# Altium PCB stencil V2.0.PcbDoc (part 4 of 4)
Units mm, origin at the board's own origin, x right, y up, seen from the top; angles counter-clockwise.
Board outline 50 x 79.06 mm, 2 copper layers (Top Layer, Bottom Layer); 235 components, 68 nets, 1097 pads, 384 vias.
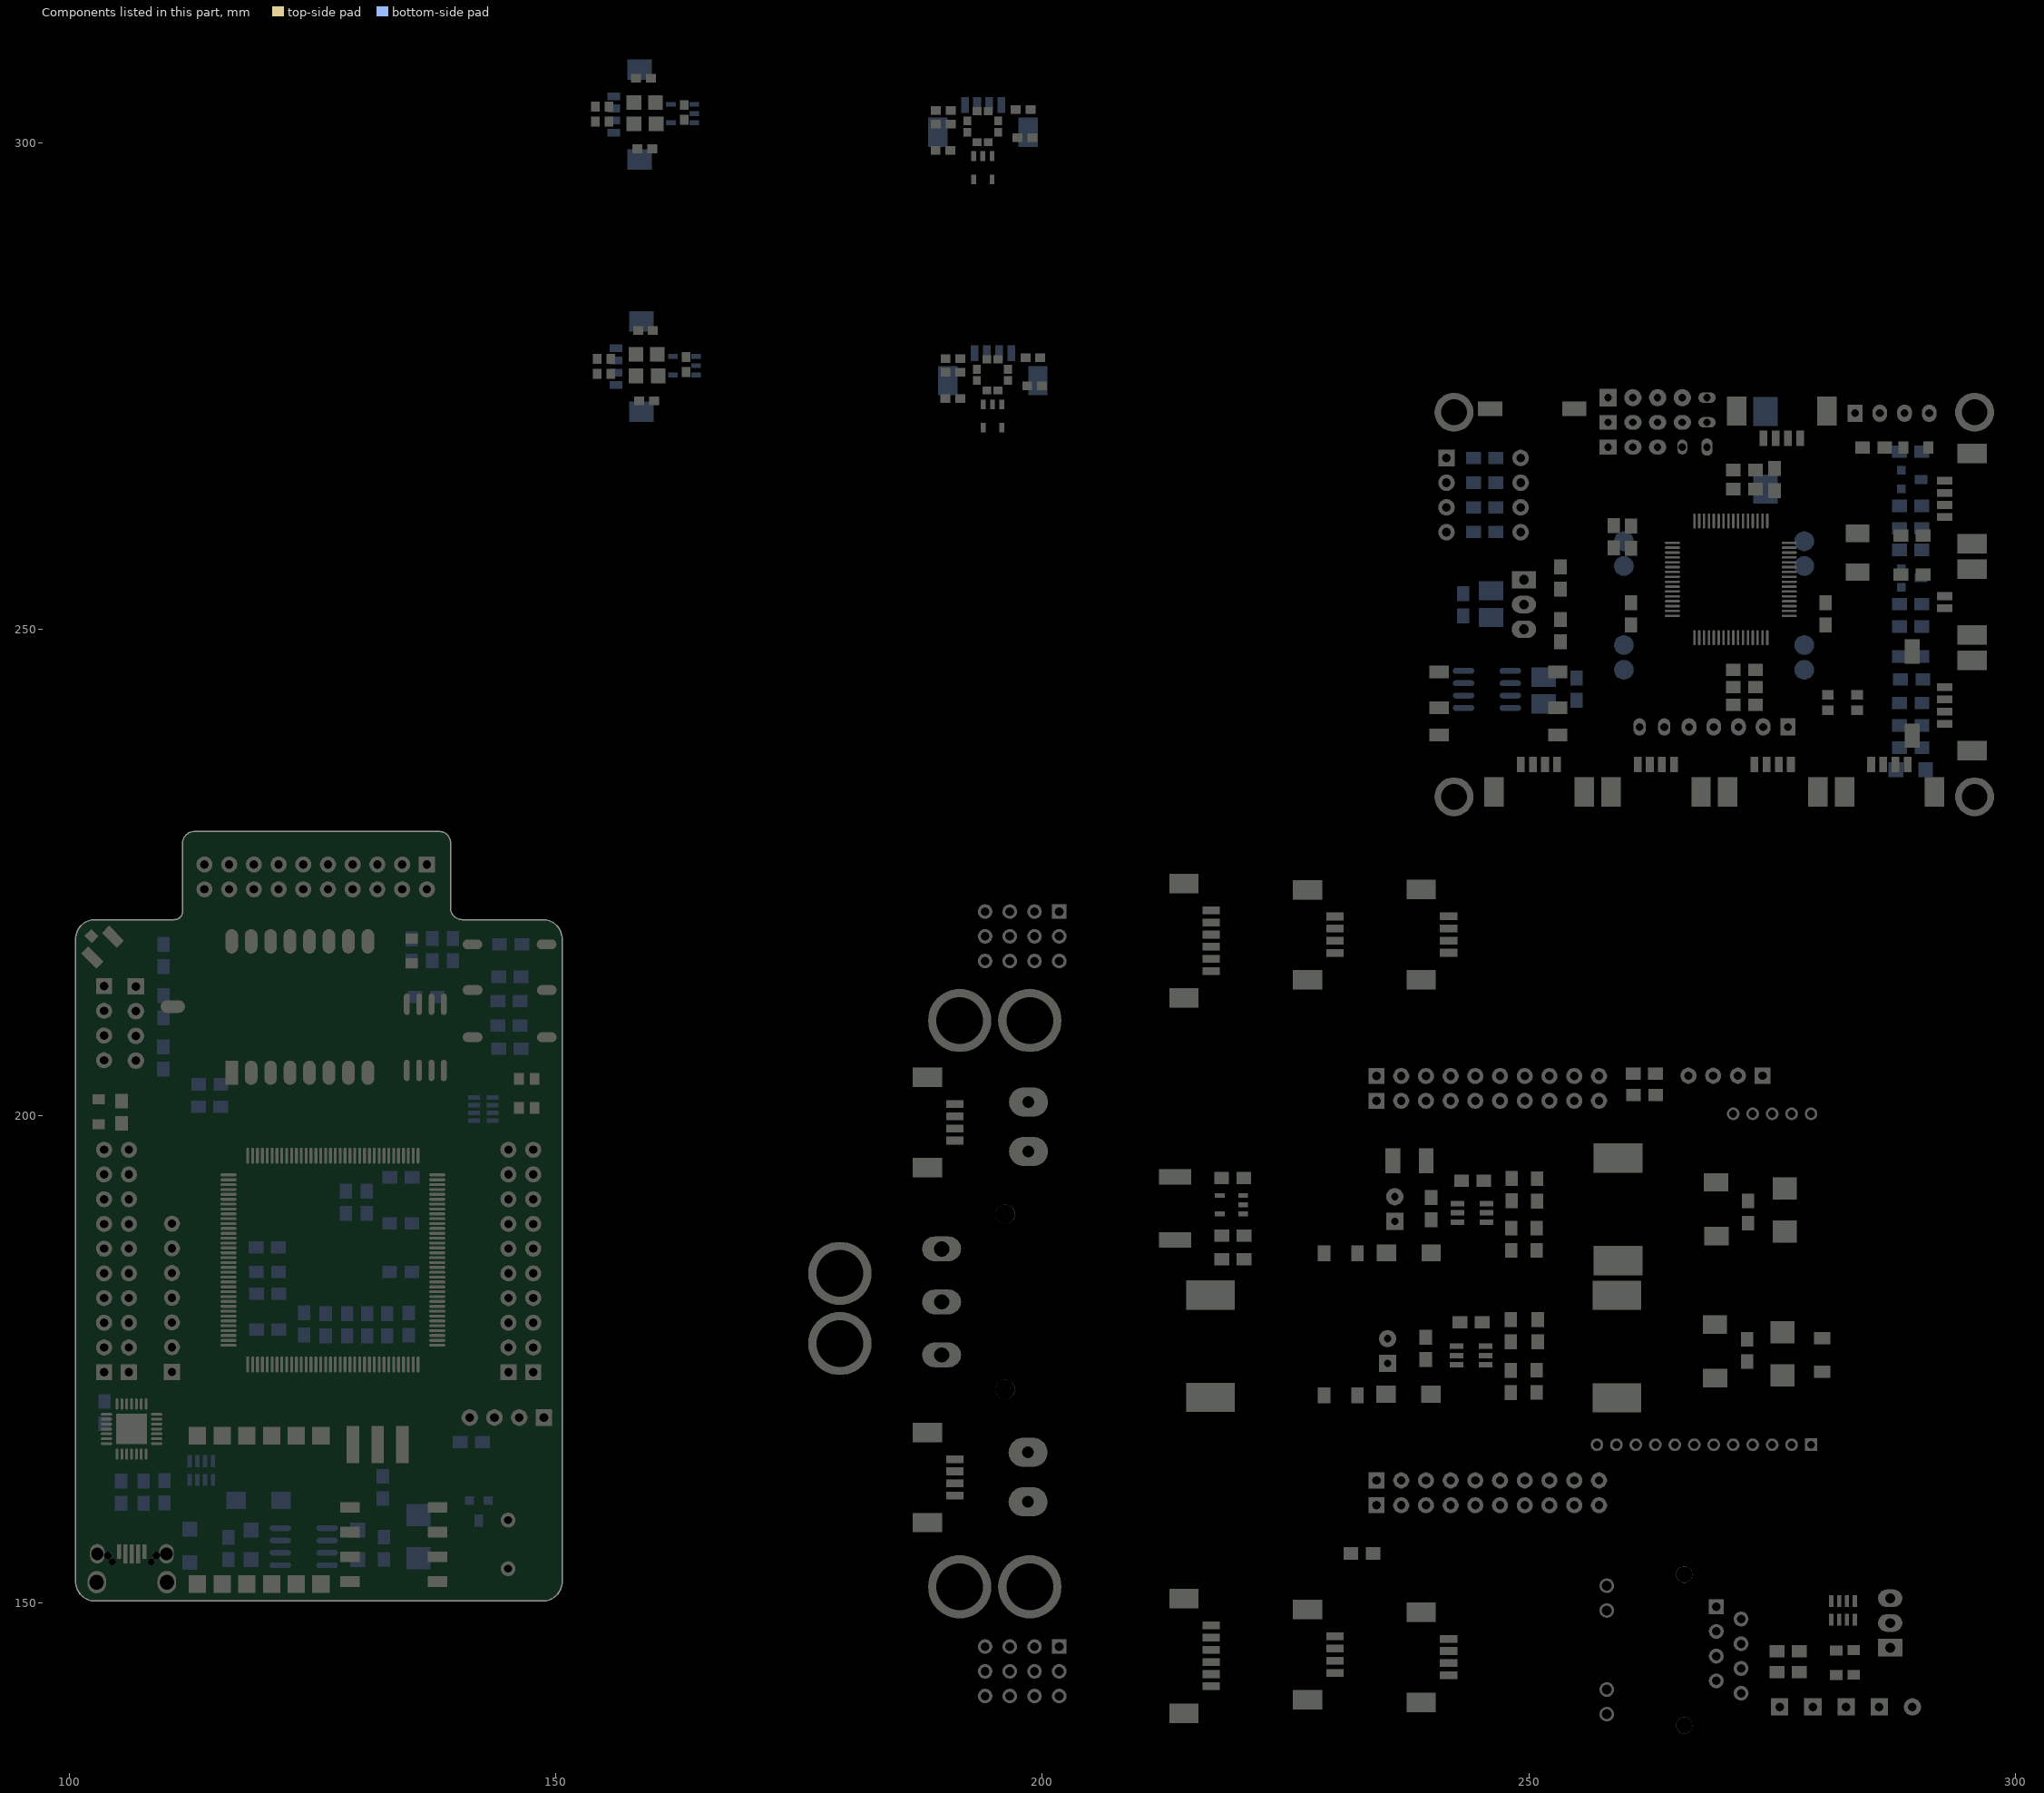
[diagram p4: the components of this part, seen from the top]

## Via types
v1: diameter 0.559, hole 0.305, Top Layer to Bottom Layer, 68 vias
v2: diameter 0.762, hole 0.406, Top Layer to Bottom Layer, 67 vias
v3: diameter 1.27, hole 0.711, Top Layer to Bottom Layer, 50 vias
v4: diameter 0.559, hole 0.356, Top Layer to Bottom Layer, 42 vias
v5: diameter 0.711, hole 0.406, Top Layer to Bottom Layer, 27 vias
v6: diameter 0.61, hole 0.305, Top Layer to Bottom Layer, tented both sides, 24 vias
v7: diameter 0.762, hole 0.381, Top Layer to Bottom Layer, tented both sides, 21 vias
v8: diameter 0.635, hole 0.406, Top Layer to Bottom Layer, 16 vias
v9: diameter 0.635, hole 0.381, Top Layer to Bottom Layer, 16 vias
v10: diameter 1.016, hole 0.559, Top Layer to Bottom Layer, 15 vias
v11: diameter 0.762, hole 0.381, Top Layer to Bottom Layer, 14 vias
v12: diameter 1.27, hole 0.711, Top Layer to Bottom Layer, tented both sides, 9 vias
v13: diameter 1.016, hole 0.635, Top Layer to Bottom Layer, 5 vias
v14: diameter 0.762, hole 0.457, Top Layer to Bottom Layer, 3 vias
v15: diameter 1.016, hole 0.457, Top Layer to Bottom Layer, 2 vias
v16: diameter 0.914, hole 0.559, Top Layer to Bottom Layer, 2 vias
v17: diameter 0.9, hole 0.9, Top Layer to Bottom Layer, 2 vias
v18: diameter 0.914, hole 0.457, Top Layer to Bottom Layer, tented both sides, 1 vias

## Nets (pads, with @x,y where several pads share a name; then routed paths per layer and width w, separated by ;. In a path a pad name is that pad's centre, name@x,y a point inside that pad or via, vN(x,y) a via of type N, cw(c..) or ccw(c..) an arc to the next point about the centre after c; other vN are vias at no path point) (continued)
copper on no net: (continued)
  Bottom Layer w0.508: 103.588,205.71 103.672,205.71 105.18,207.219 105.18,209.911 106.02,210.751 106.881,210.751 ; 103.59,173.659 103.59,170.716 103.651,170.656 ; 108.624,188.921 110.565,188.921 ; v2@109.676,204.806 ccw(c109.727,204.806) 109.727,204.755 111.225,204.755 ccw(c111.225,205.136) 111.606,205.136 111.606,217.048 ccw(c111.047,217.048) 111.047,217.607 109.701,217.607 ; 109.777,162.515 110.082,162.515 v10(113.105,159.492) ; 112.343,219.207 112.343,213.391 ccw(c113.232,213.391) 113.232,212.502 115.464,212.502 ; 115.569,200.919 115.569,212.397 115.464,212.502 ; 116.379,156.684 114.426,154.73 114.426,151.718 ccw(c114.959,151.718) 114.959,151.185 v16(147.225,151.186) ; v8@117.677,188.473 120.039,188.473 121.481,187.032 121.481,186.467 ; 118.448,157.454 118.448,157.892 ; v13(118.693,217.074) 118.693,215.73 115.464,212.502 ; 119.226,183.978 cw(c119.226,183.952) 119.252,183.952 119.252,183.622 ; 121.55,178.029 121.55,177.361 v4(122.477,176.434) ; 124.134,179.774 126.364,177.544 126.364,177.395 128.564,177.395 ; 128.446,192.334 130.224,192.334 ; v14(133.603,212.476) 135.286,212.476 135.545,212.217 ; 135.223,188.954 135.228,188.948 ; 139.445,218.217 cw(c139.47,218.217) 139.47,218.242 140.562,218.242 ccw(c140.562,218.598) 140.918,218.598 ; v8(140.69,210.521) ccw(c140.69,210.749) 140.918,210.749 140.918,216.007 ; v4(140.918,219.411) 140.918,218.598 ; 141.133,160.461 141.133,161.574 cw(c142.455,161.574) 142.455,162.896 148.792,162.896 ccw(c148.792,164.209) 150.105,164.209 150.105,198.481 ccw(c149.089,198.481) 149.089,199.497 143.534,199.497 ; 143.038,160.461 v13@145.109,160.461 ; 146.418,214.278 146.418,214.636 ; 146.467,214.229 ccw(c144.765,214.229) 146.418,214.636 ; v1(153.436,302.144) 153.436,303.541 154.033,304.138 154.033,304.222 154.562,304.751 155.976,304.751 157.179,305.954 163.342,305.954 164.231,305.065 164.231,303.917 ; v1(153.636,276.244) 153.636,277.641 154.233,278.238 154.233,278.322 154.762,278.851 156.176,278.851 157.379,280.054 163.542,280.054 164.431,279.165 164.431,278.017 ; v1(158.008,300.493) 158.407,300.493 161.831,303.917 ; v1(158.208,274.593) 158.607,274.593 162.031,278.017 ; v1(164.256,301.382) 164.256,302.017 ; v1(164.456,275.482) 164.456,276.117 ; v9@190.89,300.984 190.89,297.428 v9(192.11,296.209) ; v9@191.89,275.484 191.89,271.928 v9(193.11,270.709) ; 192.048,303.854 192.048,299.293 v9@192.11,299.231 ; v9(192.084,299.231) 192.084,298.088 192.821,297.352 v9@194.777,297.352 ; 193.048,278.354 193.048,273.793 v9@193.11,273.731 ; v9(193.084,273.731) 193.084,272.588 193.821,271.852 v9@195.777,271.852 ; 193.298,303.854 193.298,302.309 v9@194.42,301.187 ; v9(193.354,301.085) 193.354,298.571 193.608,298.317 v9(196.123,298.317) ; 194.298,278.354 194.298,276.809 v9@195.42,275.687 ; v9(194.354,275.585) 194.354,273.071 194.608,272.817 v9(197.123,272.817) ; 194.548,303.854 194.548,305.022 195.208,305.683 196.555,305.683 197.215,305.022 v9(197.215,304.438) v9@197.215,304.387 ; 195.548,278.354 195.548,279.522 196.208,280.183 197.555,280.183 198.215,279.522 v9(198.215,278.938) v9@198.215,278.887 ; 254.905,244.964 254.905,244.738 256.084,243.56 256.084,241.731 264.034,233.781 274.042,233.781 ; v7(254.966,256.209) 254.966,256.666 v7(254.966,260.73) ; v7(256.084,252.348) 258.802,252.348 v7(258.954,252.196) ; v12(271.632,236.093) 271.632,237.365 272.848,238.581 272.848,240.969 273.372,241.493 275.067,241.493 ; 274.067,239.953 274.067,233.806 274.042,233.781 ; 276.607,239.953 278.766,237.794 v12(278.766,236.093) v12@278.766,235.787 ; v7(277.445,265.607) 283.516,265.607 ; v12(278.614,272.084) 281.291,274.761 291.684,274.761 293.244,273.202 293.244,268.299 294.87,266.674 v7(294.87,262.762) 294.87,261.06 293.066,259.257 289.206,259.257 288.088,258.139 ; v18(280.718,240.39) 280.718,233.81 280.747,233.781 ; 283.516,272.186 283.516,268.68 283.516,265.607 ; 284.608,256.082 284.735,256.209 288.266,256.209 ; 287.707,235.559 287.707,233.806 287.682,233.781 ; 290.298,255.269 292.078,255.269 v7(292.403,254.944) ; 290.374,258.139 290.704,258.139 293.854,254.99 293.854,252.433 v7(292.403,250.982) ; 290.374,268.249 293.193,268.249 ; 290.755,235.559 292.734,237.538 v7(292.734,237.997) ; 140.918,216.007 cw(c140.969,216.007) 140.969,216.058 145.515,216.058 cw(c145.515,215.155) 146.418,215.155 146.418,214.636 ; 140.918,216.007 140.918,218.598 ; 274.042,233.781 280.747,233.781 ; 280.747,233.781 287.682,233.781 ; 283.516,265.607 283.516,252.297 287.275,248.538 288.088,248.538 293.512,248.538 296.37,245.68 296.37,236.996 293.155,233.781 287.682,233.781
  Bottom Layer w0.635: v10(107.466,198.456) 108.482,197.44 108.482,188.778 108.482,175.773
  Bottom Layer w0.762: v10(103.046,160.229) 109.777,160.229 ; 103.588,205.71 103.588,202.367 ccw(c104.655,202.367) 103.771,201.77 ccw(c104.655,202.367) 104.057,201.483 ccw(c104.655,202.367) 104.655,201.3 v10(107.466,201.3) ; 103.59,178.739 102.392,178.739 cw(c102.392,179.558) 101.573,179.558 101.573,200.056 ; 106.14,178.739 106.14,176.199 108.057,176.199 108.482,175.773 110.565,173.691 110.597,173.659 110.612,173.659 110.642,173.689 ; 106.881,213.291 106.841,213.33 103.588,213.33 102.034,213.33 101.882,213.177 ccw(c102.31,212.578) 101.573,212.578 ; 107.932,162.484 109.747,162.484 ccw(c109.747,162.515) 109.777,162.515 ; v13(108.126,217.506) 109.6,217.506 ccw(c109.6,217.607) 109.701,217.607 ; v2(108.406,215.372) 109.579,215.372 cw(c109.579,215.199) 109.701,215.321 109.701,212.361 ; 109.676,207.092 109.676,210.014 cw(c109.763,210.014) 109.701,210.075 ; 110.565,176.231 ccw(c110.616,176.231) 110.616,176.18 112.241,176.18 ; v5(115.67,166.401) 115.67,169.169 ; 119.252,183.622 119.252,181.717 ; 121.461,181.793 ccw(c121.538,181.793) 121.538,181.717 121.538,183.978 ; 121.512,183.978 121.538,183.978 ; 121.538,186.06 121.538,185.197 121.538,183.978 ; 122.834,152.456 ccw(c122.834,154.106) 124.484,154.106 124.484,154.909 ; 124.673,155.098 ccw(c124.673,154.909) 124.484,154.909 ; 126.364,179.681 128.564,179.681 130.614,179.681 132.664,179.681 132.937,179.954 132.937,183.952 ; 126.503,157.638 ccw(c126.859,157.638) 126.859,157.282 129.818,157.282 ; v2(127.075,182.606) cw(c126.237,182.606) 126.237,181.768 124.916,181.768 ccw(c124.916,180.986) 124.134,180.986 124.134,179.774 119.976,179.774 cw(c119.976,180.498) 119.252,180.498 119.252,181.717 ; v2@127.1,185.222 cw(c127.1,185.248) v2(127.075,185.248) 127.075,191.391 cw(c127.942,191.391) 127.942,192.258 130.148,192.258 130.224,192.334 ; 128.446,189.972 130.58,189.972 131.918,189.972 132.937,188.954 132.937,183.952 ; 130.58,192.258 133.907,192.258 cw(c133.907,191.271) 134.894,191.271 134.894,179.749 ; 130.614,177.395 132.664,177.395 134.826,177.395 134.894,177.463 ; v2(131.545,193.68) 132.942,193.68 ; v5(133.984,209.749) 133.984,207.904 ccw(c134.771,207.904) 134.034,207.627 ccw(c134.771,207.904) 134.771,207.117 136.6,207.117 cw(c136.6,206.482) 137.235,206.482 v5@137.235,205.771 ; v14(134.746,219.817) 135.208,219.355 135.208,218.178 ; 134.903,216.07 135.33,215.644 135.279,215.593 v5(135.279,213.873) ; 135.208,215.892 139.406,215.892 ccw(c139.406,215.931) 139.445,215.931 ; v13(135.99,220.427) 137.362,220.427 137.438,220.503 ccw(c137.438,221.57) 138.505,221.57 138.505,225.761 ; 136.762,225.822 138.444,225.822 138.505,225.761 ; 137.311,218.217 139.445,218.217 ; 142.098,158.429 145.069,158.429 ccw(c145.069,158.469) 145.109,158.469 ; 144.063,209.259 144.132,209.191 144.132,206.902 ; 144.063,211.794 144.063,214.21 144.132,214.278 ; 146.349,209.259 146.349,211.794 ; 146.418,206.902 147.572,208.057 v5(148.436,208.057) ; 146.467,214.229 v5(147.471,214.229) ; 241.53,267.588 241.53,265.048 241.53,262.508 241.53,259.968 241.53,253.923 ; 243.232,244.677 243.232,249.935 ; 243.232,251.358 243.232,249.935 ; 243.283,243.179 243.283,242.035 ; 248.083,243.179 248.083,244.449 ; 248.083,245.719 248.083,244.449 ; v12(248.591,234.06) 247.829,234.822 247.829,237.565 ; 249.48,249.605 249.48,249.986 243.282,249.986 243.232,249.935 ; 249.48,252.526 248.413,252.526 246.991,253.948 246.102,253.948 241.555,253.948 241.53,253.923 ; 250.529,244.964 254.905,244.964 ; 251.512,242.341 251.512,240.41 251.512,237.565 ; 251.512,245.088 249.966,245.088 249.328,244.449 248.083,244.449 ; 254.905,242.678 254.905,237.576 254.916,237.565 ; v12@257.036,237.502 257.227,237.311 v12@257.227,236.422 ; v12(257.1,237.565) 254.916,237.565 ; 261.367,239.953 261.367,240.74 264.034,243.407 275.032,243.407 ; 276.607,239.953 275.067,241.493 275.067,243.407 283.084,243.407 284.608,244.931 v12(284.608,248.818) ; v12(284.608,252.805) 284.608,256.082 284.608,260.4 v12(284.608,261.619) 284.608,266.267 284.608,268.198 288.596,272.186 ; 101.573,200.056 ccw(c101.751,200.056) 101.751,199.878 107.72,199.878 112.241,195.357 112.241,181.666 ; 101.573,200.056 101.573,212.578 ; 101.573,212.578 101.573,217.861 cw(c102.894,217.861) 102.894,219.182 112.317,219.182 112.343,219.207 112.343,227.539 cw(c113.079,227.539) 113.079,228.275 137.819,228.275 cw(c137.819,227.589) 138.505,227.589 138.505,225.761 ; 112.241,176.18 112.241,170.49 ccw(c113.562,170.49) 113.562,169.169 115.67,169.169 ; 112.241,176.18 112.241,181.666 ; 112.241,181.666 cw(c112.292,181.666) 112.292,181.717 v2(117.88,181.717) 119.252,181.717 ; 115.67,169.169 119.633,169.169 cw(c119.633,166.909) 121.893,166.909 121.893,164.267 ccw(c123.239,164.267) 123.239,162.921 cw(c123.239,161.676) 124.484,161.676 124.484,154.909 ; 121.538,183.978 132.911,183.978 132.937,183.952 ; 241.53,253.923 241.53,243.788 243.283,242.035 ; 243.283,242.035 243.283,241.909 243.283,239.952 245.67,237.565 247.829,237.565 ; 247.829,237.565 251.512,237.565 ; 251.512,237.565 254.916,237.565
  Bottom Layer w1.016: v5(103.072,157.028) v5(103.758,157.028) v5(104.469,157.028) 112.265,157.028 ; 112.414,154.105 114.07,155.761 114.07,158.769 114.299,158.998 114.299,159.008 115.774,160.483 117.169,160.483 ; v15(115.594,152.456) 122.604,152.456 ; 117.169,154.398 118.448,154.398 ; 118.448,154.406 122.331,154.406 ; 124.673,155.098 126.503,155.098 ; 125.703,155.555 126.503,155.555 ; 129.664,154.406 135.773,154.406 ccw(c135.773,154.539) 135.905,154.539 cw(c135.52,154.539) 135.52,154.153 ; 129.818,157.282 132.409,157.282 cw(c132.409,157.458) 132.233,157.458 132.233,160.682 ; 132.364,156.713 135.905,156.713 ; 135.905,158.984 135.905,156.713 ; 142.48,166.472 ccw(c143.49,166.472) 143.49,165.461 v11(143.686,165.461) 146.244,165.461 ccw(c146.244,168.001) 148.784,168.001 148.784,169.003 ; 145.109,153.469 145.109,154.173 ccw(c142.569,154.173) 142.569,156.713 135.905,156.713 ; 249.48,252.526 253.417,252.526 257.579,248.364 259.752,248.364 259.752,245.824 ; 249.48,255.066 249.531,255.015 258.276,255.015 259.752,256.492 259.752,259.032 ; 258.141,271.246 260.681,271.246 263.221,271.246 265.761,271.246 267.006,270.001 267.006,263.042 270.257,259.79 277.536,259.79 278.294,259.032 278.294,256.492 ; 258.141,273.786 260.681,273.786 263.221,273.786 265.761,273.786 267.006,272.541 269.749,272.541 270.486,271.805 270.486,263.346 271.668,262.164 281.65,262.164 282.551,261.264 282.551,252.62 278.294,248.364 278.294,245.824
  other v1: 130.859,200.462 129.843,200.665 119.175,214.508
  other v2: 134.136,177.196
  other v3: 243.867,249.961
  other v4: 131.012,152.431 133.018,152.431 135.025,152.431 135.838,167.899 109.981,201.326
  other v5: 131.723,166.147 123.341,166.401 137.235,205.568
  other v8: 117.855,188.473
  other v9: 195.421,275.636 194.421,301.136
  other v10: 130.936,154.361 110.438,160.432 131.012,182.276 129.285,182.327 131.113,184.765 129.285,184.79 131.088,187.102 129.361,187.178
  other v11: 105.891,167.823
  other v12: 257.1,236.092
  other v13: 109.701,210.648
  other v15: 136.905,154.717
  other v17: 244.661,240.161 249.061,240.161

## Polygon pours and split planes (outlines as drawn)
no net on Top Layer "Top Layer-GND" (hatched Horizontal grid 0.508 track 0.203, pour order 18): 161.945,306.843
no net on Top Layer "Top Layer-No Net" (solid, remove dead copper, pour order 16): 152.725,309.818 164.942,309.818 cw(c164.942,307.278) 167.482,307.278 167.482,303.29 167.482,297.6 cw(c164.942,297.6) 164.942,295.06 164.587,295.06 154.223,295.06 cw(c154.223,297.6) 151.683,297.6 151.683,298.413 151.683,308.751 cw(c152.725,308.751) 152.725,309.792
no net on Top Layer "Top Layer-No Net" (solid, remove dead copper, pour order 14): 116.94,144.938 ccw(c116.661,144.938) 116.661,145.217 99.363,145.217 98.982,145.217 cw(c98.982,147.757) 96.442,147.757 96.442,170.058 96.442,231.247 cw(c98.982,231.247) 98.982,233.787 127.049,233.787 153.008,233.787 cw(c153.008,231.247) 155.548,231.247 155.548,223.221 155.548,147.833 cw(c153.008,147.833) 153.008,145.293 138.251,145.293
GND on Top Layer "Top Layer-No Net" (hatched 90Degree grid 0.508 track 0.254, remove dead copper, pour order 8): 170.1,219.4 170.1,226.2 cw(c172.6,226.2) 172.6,228.7 299.26,228.7 cw(c299.26,226.16) 301.8,226.16 301.8,215.2 301.8,134.84 cw(c299.26,134.84) 299.26,132.3 288,132.3 172.54,132.3 cw(c172.54,134.84) 170,134.84 170,139.4
no net on Top Layer "Top Layer-No Net" (solid, remove dead copper, pour order 30): 152.925,283.918 165.142,283.918 cw(c165.142,281.378) 167.682,281.378 167.682,277.39 167.682,271.7 cw(c165.142,271.7) 165.142,269.16 164.787,269.16 154.423,269.16 cw(c154.423,271.7) 151.883,271.7 151.883,272.513 151.883,282.851 cw(c152.925,282.851) 152.925,283.892
no net on Top Layer "Top Layer-GND" (hatched Horizontal grid 0.508 track 0.203, pour order 32): 162.145,280.943
no net on Top Layer "Top Layer-No Net" (solid, remove dead copper, pour order 36): 184.998,302.838 184.998,307.258 cw(c187.538,307.258) 187.538,309.798 188.173,309.798 199.806,309.798 cw(c199.806,307.258) 202.346,307.258 202.346,303.549 202.346,296.615 cw(c199.806,296.615) 199.806,294.075 199.323,294.075 187.411,294.075 cw(c187.411,296.615) 184.871,296.615 184.871,297.352
no net on Top Layer "Top Layer-No Net" (solid, remove dead copper, pour order 40): 185.998,277.338 185.998,281.758 cw(c188.538,281.758) 188.538,284.298 189.173,284.298 200.806,284.298 cw(c200.806,281.758) 203.346,281.758 203.346,278.049 203.346,271.115 cw(c200.806,271.115) 200.806,268.575 200.323,268.575 188.411,268.575 cw(c188.411,271.115) 185.871,271.115 185.871,271.852
no net on Bottom Layer "Top Layer-No Net" (solid, remove dead copper, pour order 20): 151.76,303.95 151.76,307.684 cw(c153.893,307.684) 153.893,309.818 164.155,309.818 cw(c164.155,307.278) 166.695,307.278 166.695,304.56 166.695,297.829 cw(c164.155,297.829) 164.155,295.289 163.393,295.289 154.274,295.289 cw(c154.274,297.829) 151.734,297.829 151.734,299.683
no net on Bottom Layer "Top Layer-No Net" (solid, remove dead copper, pour order 12): 112.851,144.709 ccw(c112.8,144.709) 112.8,144.76 101.014,144.76 100.1,144.76 cw(c100.1,147.3) 97.56,147.3 97.56,154.641 97.56,228.961 cw(c100.1,228.961) 100.1,231.501 123.239,231.501 150.925,231.501 cw(c150.925,228.961) 153.465,228.961 153.465,222.535 153.465,147.173 cw(c150.925,147.173) 150.925,144.633 145.007,144.633
GND on Bottom Layer "Top Layer-No Net" (hatched 90Degree grid 0.508 track 0.254, remove dead copper, pour order 10): 170.1,218.4 170.1,226.5 cw(c171.8,226.5) 171.8,228.2 300.06,228.2 cw(c300.06,225.66) 302.6,225.66 302.6,209.4 302.6,133.24 cw(c300.06,133.24) 300.06,130.7 290.6,130.7 172.44,130.7 cw(c172.44,133.24) 169.9,133.24 169.9,142.8
no net on Bottom Layer "Top Layer-No Net" (solid, remove dead copper, pour order 34): 151.96,278.05 151.96,281.784 cw(c154.093,281.784) 154.093,283.918 164.355,283.918 cw(c164.355,281.378) 166.895,281.378 166.895,278.66 166.895,271.929 cw(c164.355,271.929) 164.355,269.389 163.593,269.389 154.474,269.389 cw(c154.474,271.929) 151.934,271.929 151.934,273.783
no net on Bottom Layer "Top Layer-No Net" (solid, remove dead copper, pour order 38): 185.353,303.219 185.353,307.054 cw(c187.893,307.054) 187.893,309.594 189.62,309.594 198.841,309.594 cw(c198.841,307.054) 201.381,307.054 201.381,300.247 201.381,295.701 cw(c198.841,295.701) 198.841,293.161 197.393,293.161 187.817,293.161 cw(c187.817,295.701) 185.277,295.701 185.277,297.682
no net on Bottom Layer "Top Layer-No Net" (solid, remove dead copper, pour order 42): 186.353,277.719 186.353,281.554 cw(c188.893,281.554) 188.893,284.094 190.62,284.094 199.841,284.094 cw(c199.841,281.554) 202.381,281.554 202.381,274.747 202.381,270.201 cw(c199.841,270.201) 199.841,267.661 198.393,267.661 188.817,267.661 cw(c188.817,270.201) 186.277,270.201 186.277,272.182
no net on Bottom Layer "NONET_L02_P044" (solid, remove dead copper, pour order 44): 239.294,275.282 298.794,275.282 298.794,229.782 239.306,229.782 239.295,229.793
no net on Bottom Layer "NONET_L02_P046" (solid, remove dead copper, pour order 46): 257.294,275.282 284.794,275.282 284.794,243.782 257.294,243.782
no net on Bottom Solder (solid): 117.364,189.545
no net on Mechanical 1 (solid): 154.96,306.843
no net on Mechanical 1 (solid): 155.16,280.943

## Keep-outs
Keep-Out Layer:
  circle w0.254: c159.278,302.754 r6.5
  circle w0.254: c295,158 r1.5
  circle w0.254: c295,204 r1.5
  circle w0.254: c207.275,207.55 r1.5
  circle w0.254: c207.375,156.125 r1.5
  circle w0.254: c159.478,276.854 r6.5
  circle w0.254: c193.888,301.644 r6.5
  circle w0.254: c194.888,276.144 r6.5
  lines w0.127: 239.294,229.782 240.794,229.782 298.794,229.782 298.794,275.282 239.294,275.282 239.295,229.793
  lines w0.254: 172.318,139.367 ccw(c173.192,139.367) 173.192,138.494 180.813,138.494 ccw(c180.813,139.434) 181.753,139.434 181.753,156.259 ; 172.49,206.326 172.49,223.151 cw(c173.43,223.151) 173.43,224.091 181.051,224.091 cw(c181.051,223.218) 181.925,223.218 181.925,206.326 ; 173.157,157.072 180.828,157.072 cw(c180.828,156.147) 181.753,156.147 ; 173.415,205.513 181.086,205.513 ccw(c181.086,206.351) 181.925,206.351 ; 100.664,152.154 ccw(c102.664,152.154) 102.664,150.154 148.664,150.154 ccw(c148.664,152.154) 150.664,152.154 150.664,218.154 ccw(c148.664,218.154) 148.664,220.154 140.378,220.154 cw(c140.378,221.341) 139.191,221.341 139.191,228.064 ccw(c138.04,228.064) 138.04,229.215 112.887,229.215 ccw(c112.887,227.985) 111.657,227.985 111.657,220.999 cw(c110.812,220.999) 110.812,220.154 102.664,220.154 ccw(c102.664,218.154) 100.664,218.154 100.664,152.154 ; 168.9,136.6 169.5,136 169.8,136 295.5,136 ccw(c295.5,138.5) 298,138.5 298,224 ccw(c296,224) 296,226 168.9,226 168.9,136.6

## Other copper
Top Layer:
  region: 136.32,210.419 136.32,214.178 134.288,214.178 134.288,210.419
  rectangle net 5.0V: 284.353,144.424 288.544,148.946
  rectangle net 5.0V: 263.119,190.729 268.148,194.031
  rectangle net NetC7_1: 238.911,170.536 243.153,174.371
  rectangle net NetR9_1: 244.855,173.203 251.332,174.676
  rectangle net GND: 235.279,176.073 243.077,177.165
  rectangle net 12.0V: 267.716,176.378 280.924,178.918
  rectangle net GND: 267.867,170.307 277.773,175.336
  rectangle net NetR13_1: 244.957,187.808 251.383,189.255
  rectangle net NetC12_1: 235.33,187.96 243.356,189.357
  rectangle net NetC12_1: 238.784,185.014 243.128,189.128
  rectangle net GND: 235.965,190.703 243.204,191.973
  rectangle net 5.0V: 268.021,190.729 278.129,193.548
  rectangle net GND: 267.842,184.912 277.8,189.611
  rectangle net NetR4_2: 220.198,187.02 221.544,190.144
  rectangle net NetC7_1: 234.746,173.05 243.179,174.727
  rectangle net 24.0V: 226.416,169.697 229.667,186.69
  rectangle net 24.0V: 214.935,169.697 228.244,172.517
  rectangle net T24.0V: 179.629,176.936 195.504,178.079
  rectangle net GND: 234.696,190.703 237.896,193.294
  rectangle net GND: 175.819,181.051 182.474,188.747
  rectangle net GND: 194.056,194.056 201.371,198.196
  rectangle net GND: 186.157,206.223 194.412,213.614
  rectangle net GND: 188.671,148.514 193.827,155.169
  region: 258.116,235.076 258.116,238.531 256.008,238.531 256.008,235.076
  pour cut-out: 132.777,218.074 132.777,204.272 110.603,204.272 110.603,218.008
  text "诚以待人" at 292.894,223.012 h3.81 r270
  text "集美大学" at 263,218 h7.62
  text "iRobot" at 270,212 h6.35
  text "毅以处事" at 292.97,153.365 h3.81 r270
Bottom Layer:
  region: 110.768,158.146 110.768,160.94 107.999,160.94 107.999,158.146
  region: 122.833,156.139 122.833,157.917 115.848,157.917 115.848,156.139
  region: 122.63,156.444 122.63,161.194 120.649,161.194 120.649,156.444
  region: 127.507,154.844 127.507,157.892 125.449,157.892 125.449,154.844
  rectangle net IN_24V: 215.113,189.179 223.749,194.767
  rectangle net 5.0V: 263.068,190.754 268.376,194.234
  rectangle net GND: 175.666,181.127 182.397,188.595
  rectangle net GND: 188.443,206.426 194.361,216.6
  rectangle net GND: 188.62,148.361 193.904,155.27
  rectangle: 277.322,253.745 281.822,260.274
  rectangle: 277.322,244.51 281.822,251.01
  rectangle: 256.224,244.51 260.724,251.01
  rectangle: 256.224,253.774 260.724,260.274
  region: 258.116,235.076 258.116,238.531 256.008,238.531 256.008,235.076
  pour cut-out: 115.365,218.047 115.365,211.918 110.768,211.918 110.768,218.034

## Silkscreen, mask and mechanical layers (free items; w line width, h text height)
Top Overlay:
  drawing of 111 lines, arcs and shapes, not listed
  text "3V" at 284.1,274.776 h1.52 r180
  text "CLK" at 287.326,274.776 h1.52 r180
  text "G" at 289.307,274.776 h1.52 r180
  text "DIO" at 292.33,274.776 h1.52 r180
  text "GND" at 253.794,273.914 h1.52
  text "GND" at 278.792,270.027 h1.52 r270
  text "5V0" at 280.138,269.874 h1.52 r270
  text "SCL" at 270.968,269.849 h1.52 r270
  text "SDA" at 272.264,269.849 h1.52 r270
  text "模式选择" at 252.528,268.452 h2.54 r270
  text "1 2 3 4 PPM" at 257.456,266.064 h1.52
  text "舵机接口" at 256.794,263.529 h2.54
  text "TM4C外扩板" at 276.429,263.524 h2.54
  text "-" at 114.934,227.298 h3.81 r90
  text "E3" at 116.798,227.295 h1.52 r90
  text "A6" at 119.349,227.296 h1.52 r90
  text "B6" at 121.901,227.295 h1.52 r90
  text "C9" at 124.452,227.296 h1.52 r90
  text "C7" at 127.004,227.296 h1.52 r90
  text "C6" at 129.555,227.296 h1.52 r90
  text "A4" at 132.121,227.296 h1.52 r90
  text "D7" at 134.672,227.295 h1.52 r90
  text "3.3" at 137.311,227.234 h1.52 r90
  text "P" at 182.514,225.469 h1.35 r270
  text "设" at 184.275,225.192 h1.35 r270
  text "编" at 186.035,225.192 h1.35 r270
  text "W" at 182.514,224.635 h1.35 r270
  text "备" at 184.275,223.802 h1.35 r270
  text "号" at 186.035,223.802 h1.35 r270
  text "M" at 182.514,223.338 h1.35 r270
  text "①" at 193.2,223.1 h2.03
  text "②" at 195.767,223.1 h2.03
  text "③" at 198.333,223.1 h2.03
  text "④" at 200.9,223.1 h2.03
  text "左" at 184.275,221.864 h1.35 r270
  text "E" at 182.514,221.587 h1.35 r270
  text "①" at 186.035,221.217 h1.35 r270
  text "-" at 137.59,220.902 h3.81 r90
  text "1" at 182.514,220.845 h1.35 r270
  text "E1" at 116.802,220.682 h1.52 r90
  text "+3.3V" at 218.695,220.574 h1.52
  text "E5" at 121.893,220.531 h1.52 r90
  text "E2" at 129.45,220.531 h1.52 r90
  text "E0" at 114.273,220.503 h1.52 r90
  text "E6" at 119.302,220.503 h1.52 r90
  text "下" at 184.275,220.474 h1.35 r270
  text "B7" at 132.015,220.381 h1.52 r90
  text "C8" at 126.972,220.333 h1.52 r90
  text "D6" at 134.566,220.25 h1.52 r90
  text "1" at 182.514,220.104 h1.35 r270
  text "S" at 203.5,220.1 h2.03
  text "+3.3V" at 231.242,220.015 h1.52
  text "+3.3V" at 243.078,219.862 h1.52
  text "C11" at 124.382,219.842 h1.52 r90
  text "NSS(A15)" at 218.694,219.446 h1.52
  text "左" at 184.275,218.906 h1.35 r270
  text "RX(G9)" at 243.077,218.787 h1.52
  text "D" at 182.514,218.721 h1.35 r270
  text "D0" at 231.24,218.717 h1.52
  text "SCK(B3)" at 218.694,218.191 h1.52
  text "②" at 186.035,218.167 h1.35 r270
  text "1" at 182.514,217.702 h1.35 r270
  text "④24V" at 203.4,217.7 h2.03
  text "TX(G14)" at 243.077,217.585 h1.52
  text "中" at 184.275,217.516 h1.35 r270
  text "D1" at 231.24,217.413 h1.52
  text "2" at 182.514,216.961 h1.35 r270
  text "MISO(B4)" at 218.694,216.936 h1.52
  text "GND" at 243.077,216.256 h1.52
  text "GND" at 231.24,216.129 h1.52
  text "左" at 184.275,215.948 h1.35 r270
  text "E" at 182.514,215.671 h1.35 r270
  text "MOSI(B5)" at 218.694,215.681 h1.52
  text "③" at 186.035,215.301 h1.35 r270
  text "1" at 182.514,214.93 h1.35 r270
  text "-" at 203.5,214.9 h3.05
  text "上" at 184.275,214.558 h1.35 r270
  text "GND" at 218.694,214.3 h1.52
  text "3" at 182.514,214.188 h1.35 r270
  text "机" at 184.275,212.99 h1.35 r270
  text "3.3" at 102.132,212.502 h1.52 r90
  text "3.3" at 109.396,212.299 h1.52 r90
  text "D" at 182.514,212.158 h1.35 r270
  text "械" at 184.275,211.6 h1.35 r270
  text "④" at 186.035,211.604 h1.35 r270
  text "1" at 182.514,211.139 h1.35 r270
  text "4" at 182.514,210.398 h1.35 r270
  text "臂" at 184.275,210.211 h1.35 r270
  text "-" at 109.803,210.19 h3.81 r90
  text "SDO" at 101.98,209.581 h1.52 r90
  text "D3" at 109.346,207.523 h1.52 r90
  text "↑" at 185.3,207.2 h2.03 r318.81
  text "SCK" at 102.005,206.838 h1.52 r90
  text "-" at 102.411,205.212 h3.81 r90
  text "D4" at 109.346,204.958 h1.52 r90
  text "12V" at 201.6,203.4 h2.03 r270
  text "12V" at 190.5,203 h2.03
  text "3.3" at 182.6,200.8 h1.52
  text "SDO" at 182.6,199.5 h1.52
  text "集 / 美 / 大 / 学" at 130.834,198.786 h4.57 r90
  text "SCK" at 182.6,198.3 h1.52
  text "GND" at 201.6,198 h2.03 r270
  text "GND" at 182.6,197 h1.52
  text "D12" at 108.711,195.763 h1.52 r90
  text "E13" at 150.138,195.738 h1.52 r90
  text "E14" at 143.458,195.636 h1.52 r90
  text "D13" at 101.929,195.585 h1.52 r90
  text "↑" at 184.1,194.6 h2.03 r303.69
  text "E11" at 150.138,193.206 h1.52 r90
  text "E12" at 143.458,193.147 h1.52 r90
  text "D14" at 108.685,193.122 h1.52 r90
  text "D15" at 101.929,192.995 h1.52 r90
  text "E9" at 150.134,190.675 h1.52 r90
  text "E10" at 143.458,190.658 h1.52 r90
  text "A15" at 108.66,190.404 h1.52 r90
  text "C12" at 101.929,190.378 h1.52 r90
  text "-" at 113.41,188.499 h3.81 r90
  text "B1" at 143.458,188.169 h1.52 r90
  text "B0" at 150.134,188.143 h1.52 r90
  text "D0" at 108.634,188.118 h1.52 r90
  text "D1" at 101.929,188.092 h1.52 r90
  text "G9" at 101.929,185.73 h1.52 r90
  text "C5" at 143.454,185.681 h1.52 r90
  text "C4" at 150.134,185.613 h1.52 r90
  text "D2" at 108.681,185.552 h1.52 r90
  text "G10" at 113.13,185.502 h1.52 r90
  text "B3" at 101.925,183.203 h1.52 r90
  text "A5" at 143.438,183.192 h1.52 r90
  text "A9" at 150.138,183.082 h1.52 r90
  text "G11" at 113.13,182.911 h1.52 r90
  text "G14" at 108.685,182.657 h1.52 r90
  text "↑" at 173,181.6 h2.03 r270
  text "B5" at 101.909,180.676 h1.52 r90
  text "C3" at 150.134,180.55 h1.52 r90
  text "B4" at 108.634,180.422 h1.52 r90
  text "A10" at 143.483,180.371 h1.52 r90
  text "G12" at 113.105,180.32 h1.52 r90
  text "-" at 109.117,178.263 h3.81 r90
  text "C2" at 143.454,178.213 h1.52 r90
  text "C1" at 150.138,178.018 h1.52 r90
  text "3.3" at 102.081,177.932 h1.52 r90
  text "G13" at 113.13,177.704 h1.52 r90
  text "-" at 109.142,175.799 h3.81 r90
  text "F9" at 143.454,175.723 h1.52 r90
  text "5V" at 101.909,175.621 h1.52 r90
  text "F8" at 150.134,175.486 h1.52 r90
  text "3.3" at 113.181,175.24 h1.52 r90
  text "F7" at 143.438,173.233 h1.52 r90
  text "-" at 113.613,173.132 h3.81 r90
  text "F6" at 150.134,172.954 h1.52 r90
  text "BT0" at 108.787,172.624 h1.52 r90
  text "A9" at 147.014,171.582 h1.52 r180
  text "A10" at 144.906,171.557 h1.52 r180
  text "+5" at 141.527,170.592 h1.52 r90
  text "-" at 149.706,170.592 h3.81 r90
  text "24/48V" at 101.929,170.465 h1.52 r90
  text "5V" at 190.9,166.6 h2.03
  text "5V" at 201.7,166.4 h2.03 r270
  text "RX" at 144.22,166.121 h1.52 r90
  text "TX" at 146.607,166.096 h1.52 r90
  text "3.3V" at 182.4,164.3 h1.52
  text "自 / 强 / 不 / 息" at 150.417,163.886 h2.54 r90
  text "SCL" at 183.1,163 h1.52
  text "1" at 132.434,162.311 h2.54 r90
  text "0" at 136.397,162.108 h2.54 r90
  text "X" at 106.409,162.063 h0.89 r270
  text "GND" at 201.6,162 h2.03 r270
  text "SDA" at 183.1,161.7 h1.52
  text "传 / 承 / 创 / 新" at 146.48,161.194 h2.54 r90
  text "E8" at 148.944,160.762 h1.52 r90
  text "GND" at 183.1,160.3 h1.52
  text "Y" at 104.91,160.234 h0.89 r90
  text "BT1" at 139.927,158.806 h1.52 r90
  text "Z" at 109.219,157.765 h0.89 r270
  text "↑" at 191.5,157.3 h2.03 r48.81
  text "F3" at 139.927,156.723 h1.52 r90
  text "↑" at 186.7,155.5 h2.03 r228.81
  text "F5" at 139.978,154.056 h1.52 r90
  text "P" at 182.487,153.243 h1.42 r270
  text "设" at 184.344,152.95 h1.42 r270
  text "编" at 186.201,152.95 h1.42 r270
  text "W" at 182.487,152.363 h1.42 r270
  text "-" at 287.553,152.019 h5.08 r270
  text "F4" at 140.054,151.643 h1.52 r90
  text "备" at 184.344,151.484 h1.42 r270
  text "号" at 186.201,151.484 h1.42 r270
  text "M" at 182.487,150.995 h1.42 r270
  text "右" at 184.344,149.441 h1.42 r270
  text "E" at 182.487,149.148 h1.42 r270
  text "+5" at 288.544,149.098 h2.54 r270
  text "⑤" at 186.201,148.758 h1.42 r270
  text "+" at 290.5,148.4 h2.03 r270
  text "1" at 182.487,148.366 h1.42 r270
  text "下" at 184.344,147.975 h1.42 r270
  text "4" at 182.487,147.585 h1.42 r270
  text "+5.0V" at 218.821,147.041 h1.52
  text "+5" at 288.493,146.355 h2.54 r270
  text "右" at 184.344,146.321 h1.42 r270
  text "D" at 182.487,146.126 h1.42 r270
  text "+" at 290.52,145.9 h2.03 r270
  text "+5.0V" at 231.343,145.872 h1.52
  text "D-" at 218.82,145.78 h1.52
  text "TIM3(B0)" at 243.002,145.72 h1.52
  text "⑥" at 186.201,145.541 h1.42 r270
  text "1" at 182.487,145.051 h1.42 r270
  text "中" at 184.344,144.855 h1.42 r270
  text "S" at 203.4,144.7 h2.03
  text "D-" at 231.342,144.704 h1.52
  text "D+" at 218.82,144.53 h1.52
  text "TIM3(B1)" at 243.002,144.424 h1.52
  text "3" at 182.487,144.269 h1.42 r270
  text "D+" at 231.342,143.485 h1.52
  text "GND" at 218.82,143.292 h1.52
  text "右" at 184.344,143.202 h1.42 r270
  text "TIM10(F6)" at 243.002,143.18 h1.52
  text "E" at 182.487,142.52 h1.42 r270
  text "⑦" at 186.201,142.52 h1.42 r270
  text "⑧5V" at 203.4,142.3 h1.52
  text "GND" at 231.342,142.24 h1.52
  text "TX(C12)" at 218.7,142.1 h1.52
  text "TIM11(F7)" at 243.002,141.91 h1.52
  text "9" at 182.487,141.738 h1.42 r270
  text "上" at 184.344,141.736 h1.42 r270
  text "RX(D2)" at 218.82,140.919 h1.52
  text "云" at 184.344,139.79 h1.42 r270
  text "D" at 182.487,139.693 h1.42 r270
  text "-" at 203.4,139.4 h3.05
  text "⑧" at 186.201,139.108 h1.42 r270
  text "1" at 182.487,138.617 h1.42 r270
  text "台" at 184.344,138.324 h1.42 r270
  text "5" at 182.487,137.836 h1.42 r270
  text "⑤" at 193.1,137.2 h2.03
  text "⑥" at 195.633,137.2 h2.03
  text "⑦" at 198.167,137.2 h2.03
  text "⑧" at 200.7,137.2 h2.03
Bottom Overlay:
  lines w0.254: 114.822,205.102 115.457,205.737 ; 115.432,204.441 114.797,205.076 118.81,205.076 118.81,209.216 ; 117.26,205.076 ccw(c118.81,205.076) 119.504,206.463 ; 118.175,208.581 118.81,209.216 ; 119.445,208.581 118.81,209.216 ; 119.506,205.994 119.064,206.6 119.84,206.827 ; 240.294,240.282 256.048,240.282 256.048,256.782 241.294,256.782 240.294,256.782 240.294,240.282 ; 240.294,258.782 240.361,258.849 240.361,269.29 253.286,269.29 253.294,269.282 253.294,258.782 240.294,258.782 ; 286.294,234.282 286.294,269.798 296.521,269.798 296.521,259.008 296.521,239.008 291.794,234.282 286.294,234.282
  text "VCC" at 155.341,304.303 h1.27
  text "SCL" at 155.214,302.779 h1.27
  text "SDA" at 155.214,301.763 h1.27
  text "GND" at 155.087,300.62 h1.27
  text "VCC" at 155.541,278.403 h1.27
  text "SCL" at 155.414,276.879 h1.27
  text "SDA" at 155.414,275.863 h1.27
  text "GND" at 155.287,274.72 h1.27
  text "3.3" at 137.311,228.986 h1.52 r90
  text "A4" at 132.169,228.851 h1.52 r90
  text "A6" at 119.454,228.823 h1.52 r90
  text "D7" at 134.709,228.768 h1.52 r90
  text "C6" at 129.614,228.693 h1.52 r90
  text "C9" at 124.534,228.679 h1.52 r90
  text "C7" at 127.074,228.686 h1.52 r90
  text "B6" at 121.994,228.651 h1.52 r90
  text "E3" at 116.913,228.493 h1.52 r90
  text "-" at 115.061,228.123 h3.81 r90
  text "E0" at 114.324,221.671 h1.52 r90
  text "E1" at 116.853,221.671 h1.52 r90
  text "E6" at 119.353,221.671 h1.52 r90
  text "E5" at 121.867,221.671 h1.52 r90
  text "C11" at 124.382,221.67 h1.52 r90
  text "C8" at 126.896,221.67 h1.52 r90
  text "E2" at 129.425,221.671 h1.52 r90
  text "B7" at 131.939,221.671 h1.52 r90
  text "D6" at 134.439,221.671 h1.52 r90
  text "-" at 137.641,221.668 h3.81 r90
  text "X" at 117.464,208.073 h0.89 r270
  text "Y" at 115.965,206.245 h0.89 r90
  text "Z" at 120.776,204.526 h0.89 r270
  text "D12" at 108.711,197.871 h1.52 r90
  text "D13" at 101.878,197.694 h1.52 r90
  text "E14" at 143.483,197.567 h1.52 r90
  text "E13" at 150.113,197.49 h1.52 r90
  text "D14" at 108.634,195.204 h1.52 r90
  text "D15" at 101.878,195.179 h1.52 r90
  text "E12" at 143.432,195.001 h1.52 r90
  text "E11" at 150.113,194.95 h1.52 r90
  text "A15" at 108.685,192.588 h1.52 r90
  text "E10" at 143.458,192.512 h1.52 r90
  text "C12" at 101.929,192.334 h1.52 r90
  text "E9" at 150.138,192.004 h1.52 r90
  text "B0" at 150.108,189.667 h1.52 r90
  text "D0" at 108.66,189.616 h1.52 r90
  text "D1" at 101.98,189.464 h1.52 r90
  text "B1" at 143.483,189.388 h1.52 r90
  text "G9" at 101.903,187.178 h1.52 r90
  text "C4" at 150.108,187.137 h1.52 r90
  text "C5" at 143.479,187.078 h1.52 r90
  text "D2" at 108.66,187.026 h1.52 r90
  text "G14" at 108.685,184.917 h1.52 r90
  text "A9" at 150.113,184.606 h1.52 r90
  text "A5" at 143.463,184.589 h1.52 r90
  text "B3" at 101.929,184.486 h1.52 r90
  text "A10" at 143.458,182.606 h1.52 r90
  text "C3" at 150.108,182.074 h1.52 r90
  text "B5" at 101.878,182.047 h1.52 r90
  text "B4" at 108.634,181.768 h1.52 r90
  text "3.3" at 102.081,179.685 h1.52 r90
  text "C2" at 143.479,179.61 h1.52 r90
  text "C1" at 150.113,179.542 h1.52 r90
  text "-" at 109.117,179.126 h3.81 r90
  text "5V" at 101.884,177.17 h1.52 r90
  text "F9" at 143.479,177.12 h1.52 r90
  text "F8" at 150.108,177.01 h1.52 r90
  text "-" at 109.142,176.662 h3.81 r90
  text "BT0" at 108.812,174.783 h1.52 r90
  text "F7" at 143.463,174.63 h1.52 r90
  text "F6" at 150.108,174.478 h1.52 r90
  text "24/48V" at 101.903,174.453 h1.52 r90
  text "+5" at 141.553,172.014 h1.52 r90
  text "TX" at 146.836,172.014 h1.52 r90
  text "RX" at 144.144,171.989 h1.52 r90
  text "-" at 149.681,171.455 h3.81 r90
  text "USART1" at 149.909,166.579 h1.52
Top Solder:
  text "诚以待人" at 292.894,223.037 h3.81 r270
  text "集美大学" at 263,218 h7.62
  text "iRobot" at 270,212 h6.35
  text "毅以处事" at 292.97,153.391 h3.81 r270
Bottom Solder:
  rectangle: 256.224,244.51 260.724,251.01
  rectangle: 277.322,244.51 281.822,251.01
  rectangle: 277.322,253.774 281.822,260.274
  rectangle: 256.224,253.774 260.724,260.274

## Text inside footprints (layer, text, board x,y; h text height)
1: Top Overlay "1918" at 255.759,215.109 h1.27
C7: Top Overlay "+" at 234.568,175.235 h2 r90
C12: Top Overlay "+" at 235.305,189.814 h2 r90
LOGO: Bottom Overlay "1918" at 132.328,206.937 h1.27 r90
MC1: Bottom Overlay "+" at 245.822,248.945 h0.76 r270
MC2_1: Bottom Overlay "+" at 251.791,247.344 h0.76 r90
P12: Top Overlay "V" at 194.256,160.851 h1.27 r270; Top Overlay "V" at 194.256,165.904 h1.27 r270
P13: Top Overlay "V" at 194.305,196.844 h1.27 r270; Top Overlay "V" at 194.305,201.897 h1.27 r270
P14: Top Overlay "+" at 198.006,203.907 h3; Top Overlay "+" at 197.016,205.584 h2.03; Top Overlay "-" at 193.129,205.787 h2.03
P15: Top Overlay "+" at 173.304,177.317 h3 r270; Top Overlay "+" at 174.981,178.308 h2.03 r270; Top Overlay "-" at 175.184,182.194 h2.03 r270
P17: Top Overlay "+" at 197.016,147.396 h2.03; Top Overlay "-" at 193.129,147.599 h2.03
SW: Top Overlay "ON" at 247.118,267.334 h1.52 r270
U1: Top Overlay "-" at 265.892,205.296 h3.81; Top Overlay "SCK" at 267.517,205.702 h1.52; Top Overlay "SDO" at 270.261,205.728 h1.52; Top Overlay "F6" at 233.634,157.549 h1.52; Top Overlay "F8" at 236.165,157.549 h1.52; Top Overlay "A9" at 243.761,157.544 h1.52; Top Overlay "B0" at 248.823,157.549 h1.52; Top Overlay "E9" at 251.355,157.549 h1.52; Top Overlay "E11" at 253.886,157.544 h1.52; Top Overlay "E13" at 256.418,157.544 h1.52; Top Overlay "C1" at 238.698,157.544 h1.52; Top Overlay "C3" at 241.23,157.549 h1.52; Top Overlay "C4" at 246.293,157.549 h1.52; Top Overlay "24V" at 233.065,205.774 h1.52; Top Overlay "5V" at 236.301,205.788 h1.52; Top Overlay "BT0" at 233.304,198.896 h1.52; Top Overlay "-" at 236.479,198.335 h3.81; Top Overlay "-" at 238.915,198.335 h3.81; Top Overlay "B5" at 241.355,205.661 h1.52; Top Overlay "B3" at 243.883,205.661 h1.52; Top Overlay "B4" at 241.101,198.755 h1.52; Top Overlay "D2" at 246.355,198.755 h1.52; Top Overlay "D0" at 248.717,198.755 h1.52; Top Overlay "D1" at 248.996,205.647 h1.52; Top Overlay "C12" at 251.079,205.661 h1.52; Top Overlay "D15" at 253.928,205.661 h1.52; Top Overlay "D13" at 256.519,205.661 h1.52; Top Overlay "D12" at 256.646,198.755 h1.52; Top Overlay "D14" at 254.055,198.755 h1.52; Top Overlay "A15" at 251.13,198.769 h1.52; Top Overlay "C5" at 246.361,164.229 h1.52; Top Overlay "C2" at 238.893,164.229 h1.52; Top Overlay "F7" at 233.913,164.244 h1.52; Top Overlay "F9" at 236.402,164.229 h1.52; Top Overlay "A10" at 241.051,164.199 h1.52; Top Overlay "A5" at 243.871,164.244 h1.52; Top Overlay "B1" at 248.848,164.225 h1.52; Top Overlay "E10" at 251.338,164.225 h1.52; Top Overlay "E12" at 253.827,164.225 h1.52; Top Overlay "E14" at 256.316,164.225 h1.52; Top Overlay "G14" at 243.256,198.769 h1.52; Top Overlay "G9" at 246.355,205.661 h1.52; Top Overlay "3.3" at 273.182,205.575 h1.52; Top Overlay "3.3" at 238.612,205.647 h1.52
U1_1: Top Overlay "LQFP144" at 119.201,177.831 h1.52 r90
U3: Bottom Overlay "GND" at 278.587,167.792 h1.52 r270; Bottom Overlay "RST" at 276.481,167.691 h1.52 r270; Bottom Overlay "ETH" at 274.46,167.691 h1.52 r270; Bottom Overlay "PLC" at 272.467,167.691 h1.52 r270; Bottom Overlay "PWR" at 270.447,167.691 h1.52 r270; Bottom Overlay "3.3V" at 268.454,167.691 h1.52 r270; Bottom Overlay "TXP" at 266.434,167.692 h1.52 r270; Bottom Overlay "TXN" at 264.427,167.692 h1.52 r270; Bottom Overlay "RXP" at 262.42,167.691 h1.52 r270; Bottom Overlay "RXN" at 260.414,167.691 h1.52 r270; Bottom Overlay "12V" at 258.507,167.791 h1.52 r270; Bottom Overlay "GND" at 256.515,167.792 h1.52 r270; Bottom Overlay "AC/N" at 278.74,196.113 h1.4 r270; Bottom Overlay "AC/L" at 270.535,196.393 h1.4 r270; Bottom Overlay "NC" at 276.606,197.307 h1.4 r270; Bottom Overlay "NC" at 274.65,197.333 h1.4 r270
U5_1: Top Overlay "Y" at 116.751,159.446 h0.89 r90; Top Overlay "X" at 118.249,161.275 h0.89 r270; Top Overlay "Z" at 121.403,158.27 h0.89 r270; Top Overlay "VCC" at 116.199,153.419 h0.89 r90; Top Overlay "VCC" at 116.199,163.325 h0.89 r90; Top Overlay "GND" at 123.819,153.419 h0.89 r90; Top Overlay "GND" at 123.819,163.325 h0.89 r90; Top Overlay "RX" at 118.739,153.673 h0.89 r90; Top Overlay "TX" at 121.279,153.673 h0.89 r90; Top Overlay "SDA" at 121.279,163.325 h0.89 r90; Top Overlay "SCL" at 118.739,163.325 h0.89 r90; Top Overlay "D0" at 113.659,153.419 h0.89 r90; Top Overlay "D1" at 126.359,153.673 h0.89 r90; Top Overlay "D2" at 113.659,163.325 h0.89 r90; Top Overlay "D3" at 126.359,163.579 h0.89 r90; Top Overlay "9轴" at 127.278,168.788 h1.52 r90
U7_1: Top Overlay "ATT" at 113.85,213.43 h1.52 r90